# Altium PCB RFSoC-AMC.PcbDoc (part 4 of 12)
Units mm, origin at the board's own origin, x right, y up, seen from the top; angles counter-clockwise.
Board outline 180.55 x 148.45 mm, 10 copper layers (Layer 1, Layer 2, Layer 3, Layer 4, Layer 5, Layer 6, Layer 7, Layer 8, Layer 9, Layer 10), stack 1.544 mm thick; 793 components, 796 nets, 7654 pads, 16 vias.
Unrouted connection lines stored in the file: 2880.
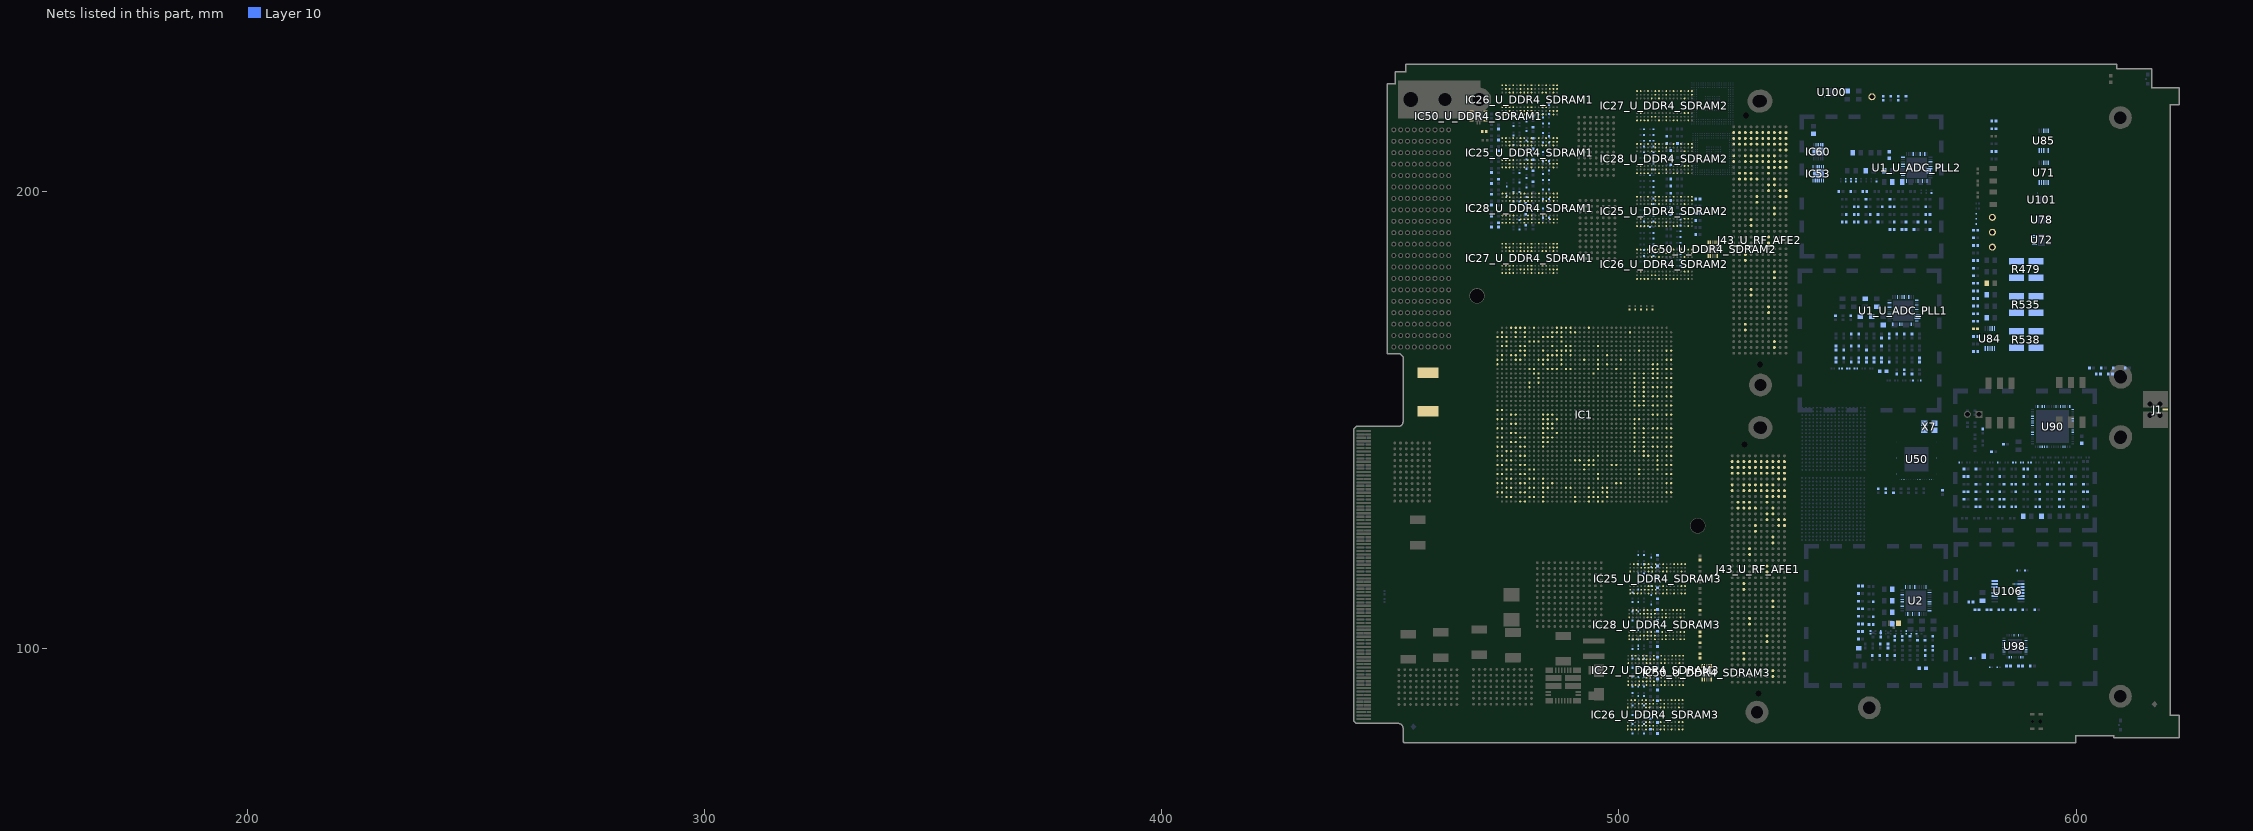
[diagram p12: the nets of this part, all layers, seen from the top]

## Part data (continued)
C361 C363 C456 C572 C575 C577 C578 C606 C607 C608 C609 C636_U_ADC_PLL1 C636_U_ADC_PLL2 C638_U_ADC_PLL1 C638_U_ADC_PLL2 C639_U_ADC_PLL1 C639_U_ADC_PLL2 C643_U_ADC_PLL1 C643_U_ADC_PLL2 C645_U_ADC_PLL1 C645_U_ADC_PLL2 C648_U_ADC_PLL1 C648_U_ADC_PLL2 C649_U_ADC_PLL1 C649_U_ADC_PLL2 C650_U_ADC_PLL1 C650_U_ADC_PLL2 C651_U_ADC_PLL1 C651_U_ADC_PLL2 C652_U_ADC_PLL1 C652_U_ADC_PLL2 C664_U_ADC_PLL1 C664_U_ADC_PLL2 C665_U_ADC_PLL1 C665_U_ADC_PLL2 C670 C672 C674 C678 C680 C719 C720 C721 C722 C723 C730 C731 C734 C737 C738 C739 C740 C741 C742 C743 C744 C745 C746 C747 C748 C749 C750 C754 C758 C759 C761 C762 C764 C766 C767 C769 C770 C771 C775 C777 C779 C780 C781 C783 C784 C814 C815 C823 C829 C873 C874 C952 C992: library part CAP_NP, Dielectric=X5R, Tolerance=10%, Voltage=25V, PartType=CERAMIC, RoHS=Yes
  C361 C363 C577 C578 C606 C607 C608 C609: Barcode=100040, Datasheet=\\XSJ-SMB\AFX\AFX\BOARD_PROJECTS\LIBRARY\DATASHEETS\CAPACITOR\DLMK_E.PDF, Device=0_1UF_0402, MANF="TAIYO YUDEN", MANF_P/N=TMK105BJ104KV-F, OWNER=4001, PRICE=0.01
  C456 C572 C575 C829: Barcode=100001, Datasheet=\\XSJ-SMB\AFX\AFX\BOARD_PROJECTS\LIBRARY\\DATASHEETS\CAPACITOR\CX5R.PDF, Device=0_01UF_0402, MANF=AVX, MANF_P/N=04023D103KAT2A, OWNER=4001, PRICE=0
  C636_U_ADC_PLL1 C636_U_ADC_PLL2 C638_U_ADC_PLL1 C638_U_ADC_PLL2 C639_U_ADC_PLL1 C639_U_ADC_PLL2 C643_U_ADC_PLL1 C643_U_ADC_PLL2 C645_U_ADC_PLL1 C645_U_ADC_PLL2 C648_U_ADC_PLL1 C648_U_ADC_PLL2 C649_U_ADC_PLL1 C649_U_ADC_PLL2 C650_U_ADC_PLL1 C650_U_ADC_PLL2 C651_U_ADC_PLL1 C651_U_ADC_PLL2 C652_U_ADC_PLL1 C652_U_ADC_PLL2 C664_U_ADC_PLL1 C664_U_ADC_PLL2 C665_U_ADC_PLL1 C665_U_ADC_PLL2 C670 C672 C674 C678 C680 C719 C720 C721 C722 C723 C730 C731 C734 C737 C738 C739 C740 C741 C742 C743 C744 C745 C746 C747 C748 C749 C750 C754 C758 C759 C761 C762 C764 C766 C767 C769 C770 C771 C775 C779 C780 C781 C783 C784 C814 C815 C823 C952 C992: Barcode=100040, Datasheet=\\XSJ-SMB\AFX\AFX\BOARD_PROJECTS\LIBRARY\DATASHEETS\CAPACITOR\DLMK_E.PDF, Device=0_1UF_0402, DIST=DIGIKEY, DIST_P/N=587-1456-1-ND, DXDB_LIBNAME=CAPACITORS, MANF="TAIYO YUDEN", MANF_P/N=TMK105BJ104KV-F, OWNER=4001, PART_TYPE=CERAMIC, PKG_TYPE=0402, PRICE=0.01
  C777: Barcode=100156, Datasheet=\\XSJ-SMB\AFX\AFX\BOARD_PROJECTS\LIBRARY\\DATASHEETS\CAPACITOR\mlcc_selection_guide_en.pdf, Device=0_033UF_0402, MANF=TDK, MANF_P/N=C1005X5R1E333K050BA, OWNER=10460, PRICE=0
  C873 C874: Barcode=100026, Datasheet=\\XSJ-SMB\AFX\AFX\BOARD_PROJECTS\LIBRARY\DATASHEETS\CAPACITOR\C02E.PDF, Device=22UF_1206, MANF=MURATA, MANF_P/N=GRM31CR61E226KE15L, OWNER=3709, PRICE=0.17
C362 C364 C564 C569 C653_U_ADC_PLL1 C653_U_ADC_PLL2 C655_U_ADC_PLL1 C655_U_ADC_PLL2 C662_U_ADC_PLL1 C662_U_ADC_PLL2 C724 C726 C733 C735 C736 C753 C782 C812 C822 C824 C991: library part CAP_NP, Dielectric=X5R, Tolerance=10%, Voltage=35V, Barcode=100192, Datasheet=\\XSJ-SMB\AFX\AFX\BOARD_PROJECTS\LIBRARY\DATASHEETS\CAPACITOR\GRM155R6YA105KE11D.pdf, Device=1UF_0402, MANF=MURATA, MANF_P/N=GRM155R6YA105KE11D, OWNER=3709, PartType=CERAMIC, PRICE=0.04, RoHS=Yes
C457 C485 C567 C570 C573 C574 C634_U_ADC_PLL1 C634_U_ADC_PLL2 C635_U_ADC_PLL1 C635_U_ADC_PLL2 C637_U_ADC_PLL1 C637_U_ADC_PLL2 C641_U_ADC_PLL1 C641_U_ADC_PLL2 C642_U_ADC_PLL1 C642_U_ADC_PLL2 C644_U_ADC_PLL1 C644_U_ADC_PLL2 C654_U_ADC_PLL1 C654_U_ADC_PLL2 C656_U_ADC_PLL1 C656_U_ADC_PLL2 C660_U_ADC_PLL1 C660_U_ADC_PLL2 C661_U_ADC_PLL1 C661_U_ADC_PLL2 C663_U_ADC_PLL1 C663_U_ADC_PLL2 C668 C669 C671 C676 C677 C679 C725 C727 C732 C751 C752 C763 C774 C810 C811 C813 C821 C827 C828 C953 C990: library part CAP_NP, Dielectric=X5R, Tolerance=10%, Voltage=10V, PartType=CERAMIC, RoHS=Yes
  C457 C485 C567 C570 C573 C574 C827: Barcode=100024, Datasheet=\\XSJ-SMB\AFX\AFX\BOARD_PROJECTS\LIBRARY\\DATASHEETS\CAPACITOR\MURATA_GRM21BR61A106KE19L.pdf, Device=10UF_0805, MANF=MURATA, MANF_P/N=GRM21BR61A106KE19L, OWNER=3670, PRICE=0.04
  C634_U_ADC_PLL1 C634_U_ADC_PLL2 C635_U_ADC_PLL1 C635_U_ADC_PLL2 C637_U_ADC_PLL1 C637_U_ADC_PLL2 C641_U_ADC_PLL1 C641_U_ADC_PLL2 C642_U_ADC_PLL1 C642_U_ADC_PLL2 C644_U_ADC_PLL1 C644_U_ADC_PLL2 C654_U_ADC_PLL1 C654_U_ADC_PLL2 C660_U_ADC_PLL1 C660_U_ADC_PLL2 C661_U_ADC_PLL1 C661_U_ADC_PLL2 C663_U_ADC_PLL1 C663_U_ADC_PLL2 C668 C669 C671 C676 C677 C679 C725 C732 C751 C752 C763 C774 C810 C811 C813 C821 C953 C990: Barcode=100024, Datasheet=\\XSJ-SMB\AFX\AFX\BOARD_PROJECTS\LIBRARY\\DATASHEETS\CAPACITOR\MURATA_GRM21BR61A106KE19L.pdf, Device=10UF_0805, DIST=DIGIKEY, DIST_P/N=490-1709-2-ND, DXDB_LIBNAME=CAPACITORS, MANF=MURATA, MANF_P/N=GRM21BR61A106KE19L, OWNER=3670, PART_TYPE=CERAMIC, PKG_TYPE=805, PRICE=0.04
  C656_U_ADC_PLL1 C656_U_ADC_PLL2 C727: Datasheet=\\XSJ-SMB\AFX\AFX\BOARD_PROJECTS\LIBRARY\\DATASHEETS\CAPACITOR\GRM155R61A684KE15-01.pdf, Device=0_68UF_10V_0402, MANF=AVX, MANF_P/N=0402ZD683KAT2A, OWNER=3709, PRICE=0.02
  C828: Barcode=100057, Datasheet=\\XSJ-SMB\AFX\AFX\BOARD_PROJECTS\LIBRARY\DATASHEETS\CAPACITOR\E413_C.PDF, Device=0_047UF_0402, MANF=TDK, MANF_P/N=C1005X5R1A473K, OWNER=10460, PRICE=0
C632_U_ADC_PLL1 C632_U_ADC_PLL2 C640_U_ADC_PLL1 C640_U_ADC_PLL2 C646_U_ADC_PLL1 C646_U_ADC_PLL2 C658_U_ADC_PLL1 C658_U_ADC_PLL2 C666 C673 C675 C682 C718_U_ADC_PLL1 C718_U_ADC_PLL2 C765 C772 C778 C808: library part CAP_NP, Dielectric=X7R, Tolerance=10%, Voltage=50V, PartType=CERAMIC, RoHS=Yes
  C632_U_ADC_PLL1 C632_U_ADC_PLL2 C640_U_ADC_PLL1 C640_U_ADC_PLL2 C646_U_ADC_PLL1 C646_U_ADC_PLL2 C666 C673 C675 C682 C718_U_ADC_PLL1 C718_U_ADC_PLL2: Barcode=100119, Datasheet=\\XSJ-SMB\AFX\AFX\BOARD_PROJECTS\LIBRARY\\DATASHEETS\CAPACITOR\UPY-GPHC_X7R_6.3V-to-50V_8.pdf, Device=100PF_0402, MANF=YAGEO, MANF_P/N=CC0402KRX7R9BB101, OWNER=6176, PRICE=0
  C658_U_ADC_PLL1 C658_U_ADC_PLL2 C808: Barcode=100158, Datasheet=\\XSJ-SMB\AFX\AFX\BOARD_PROJECTS\LIBRARY\\DATASHEETS\CAPACITOR\GRM155R71H152KA01D.pdf, Device=1800PF_0402, DIST=DIGIKEY, DIST_P/N=399-3074-2-ND, DXDB_LIBNAME=Capacitors, MANF=MURATA, MANF_P/N=GRM155R71H182KA01D, OWNER=3709, PART_TYPE=CERAMIC, PKG_TYPE=0402, PRICE=0
  C765: Barcode=100013, Datasheet=\\XSJ-SMB\AFX\AFX\BOARD_PROJECTS\LIBRARY\\DATASHEETS\CAPACITOR\GRM155R71H102KA01D.pdf, Device=1000PF_0402, MANF=MURATA, MANF_P/N=GRM155R71H102KA01D, OWNER=3709, PRICE=0
  C772: Barcode=100095, Datasheet=\\XSJ-SMB\AFX\AFX\BOARD_PROJECTS\LIBRARY\\DATASHEETS\CAPACITOR\GRM155R71H222KA01D.pdf, Device=2200PF_0402, MANF=MURATA, MANF_P/N=GRM155R71H222KA01D, OWNER=3709, PRICE=0
  C778: Barcode=100107, Datasheet=\\XSJ-SMB\AFX\AFX\BOARD_PROJECTS\LIBRARY\\DATASHEETS\CAPACITOR\cx7r.pdf, Device=680PF_0402, MANF=AVX, MANF_P/N=04025C681KAT2A, OWNER=3709, PRICE=0.02
C633_U_ADC_PLL1 C633_U_ADC_PLL2 C647_U_ADC_PLL1 C647_U_ADC_PLL2 C659_U_ADC_PLL1 C659_U_ADC_PLL2 C667 C681 C768 C776 C809 C948_U_ADC_PLL1 C948_U_ADC_PLL2 C949_U_ADC_PLL1 C949_U_ADC_PLL2 C1018_U_ADC_PLL1 C1018_U_ADC_PLL2 C1019_U_ADC_PLL1 C1019_U_ADC_PLL2 C1022 C1023 C1024 C1025 C1031 C1034: library part CAP_NP, Barcode=NonBom, Device=DNP_C_0402, Dielectric=DNP, MANF=DNP, MANF_P/N=DNP, OWNER=3709, PartType=CERAMIC, PRICE=0, RoHS=Yes, Tolerance=DNP, Voltage=DNP
C657_U_ADC_PLL1 C657_U_ADC_PLL2 C728: library part CAP_NP, Dielectric="C0G, NP0", Tolerance=5%, Voltage=50V, Datasheet=\\XSJ-SMB\AFX\AFX\BOARD_PROJECTS\LIBRARY\\DATASHEETS\CAPACITOR\KEM_C1022_C0G_AUTO_SMD.pdf, Device=390PF_0402, MANF=KEMET, MANF_P/N=C0402C391J5GACAUTO, OWNER=3709, PartType=CERAMIC, PRICE=0, RoHS=Yes
C755 C819: library part CC0201_100NF_6.3V_10%_X5R, "Non-polarised capacitor"
C773: library part CAP_NP, Dielectric=NPO, Tolerance=5%, Voltage=50V, Barcode=100065, Datasheet=\\XSJ-SMB\AFX\AFX\BOARD_PROJECTS\LIBRARY\\DATASHEETS\CAPACITOR\GRM1555C1H180JA01D.pdf, Device=18PF_0402, MANF=MURATA, MANF_P/N=GRM1555C1H180JA01D, OWNER=3709, PartType=CERAMIC, PRICE=0, RoHS=Yes
C920: $$NotCommonProperty_Case=0201, $$NotCommonProperty_General Part Number=CC0201_100NF_6.3V_10%_X5R, $$NotCommonProperty_Manufacturer1 Example=AVX, $$NotCommonProperty_Manufacturer1 Part Number=02016D104KAT2A, $$NotCommonProperty_Voltage=6.3V, Manufacturer=GENERIC, Part Name="Capacitor - non polarized CAPC0603X33N", Tolerance=±10%, $$Internal_Resolution=00001mm, $$NotCommonProperty_Pin Count=2, $$NotCommonProperty_SMD=Yes, $$NotCommonProperty_Status="Not Recommended", $$NotCommonProperty_TC=X5R, Cell Name=CAPC0603X33N, CmpIndex=316, DXDB_LIBNAME="Capacitors SMD", Manufacturer Part Number=CC0201_100NF_6.3V_10%_X5R, Orientation="1 = 1", Part Description="SMD Multilayer Chip Ceramic Capacitor", Part Number="Capacitor - non polarized CAPC0603X33N", Ref Designator=C920, SymIndex=331
C1006_U_ADC_PLL1 C1006_U_ADC_PLL2 C1007_U_ADC_PLL1 C1007_U_ADC_PLL2 C1008_U_ADC_PLL1 C1008_U_ADC_PLL2 C1009_U_ADC_PLL1 C1009_U_ADC_PLL2 C1014 C1015 C1016 C1017: library part CAP_NP, Dielectric=X7R, Tolerance=10%, Voltage=16V, Datasheet=\\XSJ-SMB\AFX\AFX\BOARD_PROJECTS\LIBRARY\\DATASHEETS\CAPACITOR\CGA1A2X7R1C101K030BA.pdf, Device=100PF_0201, MANF=TDK, MANF_P/N=CGA1A2X7R1C101K030BA, OWNER=3709, PartType=CERAMIC, PRICE=0, RoHS=Yes
DS34_U_ADC_PLL1 DS34_U_ADC_PLL2 DS44 DS45: library part LED, "LED 565NM GREEN DIFF 0603 SMD", Power=2.2-20MA, Voltage=2.2V, Barcode=300021, Datasheet=\\XSJ-SMB\AFX\AFX\BOARD_PROJECTS\LIBRARY\\DATASHEETS\DISPLAY\SML-LX0603GW-TR.PDF, Device=LED-GRN-SMT_LED_0603, DIST=DIGIKEY, DIST_P/N=67-1549-1-ND, DXDB_LIBNAME=DISPLAY, MANF=LUMEX, MANF_P/N=SML-LX0603GW-TR, OWNER=4001, PART_TYPE=LED, PartType=LED, PKG_TYPE=LED_0603, PRICE=0.1, RoHS=Yes
F1: library part FUSR_TYCO_SMD150F-2, "Fuse", Manufacturer="TYCO ELECTRONICS", Manufacturer Part Number=SMD150F-2, Author="CERN DEM JLC", ComponentHeight=3mm, Component Type=Standard, CreateDate=2010-03-17, Family="Fuses Resettable", HelpURL=\\cern.ch\dfs\Applications\Altium\Datasheets\FUSR_TYCO_SMD150F-2.pdf, LatestRevisionDate=2010-03-17, Mounted=Yes, PackageDescription="PolySwitch, 2-Leads, Body 8.7x6.35mm Nominal", Part Description="PolySwitch® PTC Overcurrent Protection Device", Part Number=FUSR_TYCO_SMD150F-2, Pin Count=2, SMD=Yes, Socket=No, Table=Fuses
FP2: "RTM Frontpanel"
FTG3 FTG5 FTG7: library part FIDUCIAL_TARGET_S100-200, "Fiducial Target"
IC1: "Zynq UltraScale+ RFSoC, Quad-Core ARM® Cortex™-A53 MPCore™ up to 1.5GHz, 214 PS I/O, 299 HP I/O, 48 HD I/O, 1517-Pin BGA", Case=BGA1517, Manufacturer=XILINX, Author="CERN DEM MR", Bonding=No, ComponentHeight=4.01mm, ComponentLink1Description=Package/Pinout, ComponentLink1URL=\\cern.ch\dfs\Applications\Altium\Datasheets\XCZU27DR-1FSVG1517E_Package-Pinout.pdf, ComponentLink2Description=Pinout, ComponentLink2URL=\\cern.ch\dfs\Applications\Altium\Datasheets\XCZU27DR-1FSVG1517E_Pinout.pdf, Component Type=Standard, CreateDate=02/05/2018, Device=XCZU27DR-1FSVG1517E, HelpURL=\\cern.ch\dfs\Applications\Altium\Datasheets\XCZU27DR-1FSVG1517E.pdf, LatestRevisionDate=02/05/2018, Manufacturer Part Number=XCZU27DR-1FSVG1517E, Mounted=Yes, PackageDescription="BGA, 1.00mm Pitch, Square; 1517 Pin, 39 Columns X 39 Rows, 40.00mm X 40.00mm X 4.01mm H", Part Description="Zynq UltraScale+ RFSoC, Quad-Core ARM® Cortex™-A53 MPCore™ up to 1.5GHz, 214 PS I/O, 299 HP I/O, 48 HD I/O, 1517-Pin BGA", Part Number=XCZU27DR-1FSVG1517E, Pin Count=1517, PressFit=No, Sense=No, SMD=Yes, Socket=No
IC2: "4.5V-16V to 0.5V-1.8V, Dual 18A or Single 36A uModule Regulator with Digital Power System Management", Case=BGA144, Manufacturer="LINEAR TECHNOLOGY", Author="CERN DEM JLC", Bonding=No, ComponentHeight=5.21mm, Component Type=Standard, CreateDate=25/04/2018, Device=LTM4677IY#PBF, HelpURL=\\cern.ch\dfs\Applications\Altium\Datasheets\LTM4677IY#PBF.pdf, LatestRevisionDate=25/04/2018, Manufacturer Part Number=LTM4677IY#PBF, Mounted=Yes, PackageDescription="BGA, 1.27mm Pitch, Square; 144 Pin, 12 Columns X 12 Rows,16.00mm X 16.00mm X 5.21mm H", Part Description="4.5V-16V to 0.5V-1.8V, Dual 18A or Single 36A uModule Regulator with Digital Power System Management", Part Number=LTM4677IY#PBF, Pin Count=144, PressFit=No, Sense=No, SMD=Yes, Socket=No
IC25_U_DDR4_SDRAM1 IC25_U_DDR4_SDRAM2 IC25_U_DDR4_SDRAM3 IC26_U_DDR4_SDRAM1 IC26_U_DDR4_SDRAM2 IC26_U_DDR4_SDRAM3 IC27_U_DDR4_SDRAM1 IC27_U_DDR4_SDRAM2 IC27_U_DDR4_SDRAM3 IC28_U_DDR4_SDRAM1 IC28_U_DDR4_SDRAM2 IC28_U_DDR4_SDRAM3: "+1.2V, 8Gb (512 Meg x 16 x 8 Banks) DDR4 SDRAM", Case=BGA96, Manufacturer="MICRON TECHNOLOGY", Author="CERN DEM MR", Bonding=No, ComponentHeight=1.2mm, Component Type=Standard, CreateDate=12/02/2016, Device=MT40A512M16HA-083E:A, HelpURL=\\cern.ch\dfs\Applications\Altium\Datasheets\MT40A512M16HA-083E-A.pdf, LatestRevisionDate=03/06/2016, Manufacturer Part Number=MT40A512M16HA-083E:A, Mounted=Yes, PackageDescription="BGA 0.8mm, Pitch, Square 96 Pin, 9 Columns x 16 Rows, Body 14mm X 9mm X 1.2mm H", Part Description="+1.2V, 8Gb (512 Meg x 16) DDR4 SDRAM", Part Number=MT40A512M16HA-083E:A, Pin Count=96, PressFit=No, Sense=No, SMD=Yes, Socket=No
IC50_U_DDR4_SDRAM1 IC50_U_DDR4_SDRAM2 IC50_U_DDR4_SDRAM3: "Sink/Source DDR Termination Regulator", Case=SON10, Manufacturer="TEXAS INSTRUMENTS", Author="CERN DEM JLC", Bonding=No, ComponentHeight=1mm, Component Type=Standard, CreateDate=03/02/2010, Device=TPS51200DRCT, HelpURL=\\cern.ch\dfs\Applications\Altium\Datasheets\TPS51200DRCT.pdf, LatestRevisionDate=06/11/2013, Manufacturer Part Number=TPS51200DRCT, Mounted=Yes, PackageDescription="SON, 0.50mm Pitch, 10-pin, 3.00mm W  X 3.00mm L X 1.00mm Height, (w/thermal tab 1.75 X 2.50 mm)", Part Description="3.3V Sink/Source DDR Termination Regulator", Part Number=TPS51200DRCT, Pin Count=11, PressFit=No, Sense=No, SMD=Yes, Socket=No
IC52 IC54: "Part Number = LTM8049"
IC53: $$NotCommonProperty_Case=TSSOP16, Manufacturer="TEXAS INSTRUMENTS", $$Internal_Resolution=00001mm, $$NotCommonProperty_ComponentHeight=1.2mm, $$NotCommonProperty_Device=SN74CB3T3257PW, $$NotCommonProperty_Footprint Ref=SOP65P640X120-16N, $$NotCommonProperty_Pin Count=16, $$NotCommonProperty_SMD=Yes, Cell Name=SOP65P640X120-16N, CmpIndex=262, DXDB_LIBNAME=IC_Standard_Logic, Manufacturer Part Number=SN74CB3T3257PW, Orientation="4 = 4", PackageDescription="SOP, 0.65mm pitch; 16 pin, 4.40mm W X 5.00mm L X 1.20mm H body IPC Medium Density", Part Description="4-Bit 1-of-2 FET Multiplexer/Demultiplexer 2.5V/3.3V Low-Voltage Bus Switch 5V Tolerant Shifter", Part Name=SN74CB3T3257PW, Part Number=SN74CB3T3257PW, Ref Designator=IC53, SymIndex=1801
IC60: $$NotCommonProperty_Case=QFN12, Manufacturer="TEXAS INSTRUMENTS", $$Internal_LastIdUsed=81, $$Internal_Resolution=00001mm, $$NotCommonProperty_Author="CERN DEM JLC", $$NotCommonProperty_Bonding=No, $$NotCommonProperty_Comment=Device, $$NotCommonProperty_ComponentHeight=0.55mm, $$NotCommonProperty_Component Kind=Standard, $$NotCommonProperty_Component Type=Standard, $$NotCommonProperty_CreateDate=2014-10-27, $$NotCommonProperty_Device=TXB0304RUTR, $$NotCommonProperty_Footprint Ref="TEXAS_RUT (R-PUQFN-N12)", $$NotCommonProperty_HelpURL=\\cern.ch\dfs\Applications\Altium\Datasheets\TXB0304RUTR.pdf, $$NotCommonProperty_LatestRevisionDate=2014-10-28, $$NotCommonProperty_Mounted=Yes, $$NotCommonProperty_Pin Count=12, $$NotCommonProperty_PressFit=No, $$NotCommonProperty_Sense=No, $$NotCommonProperty_SMD=Yes, $$NotCommonProperty_Socket=No, Cell Name=TEXAS_RUT__R-PUQFN-N12_, CmpIndex=257, DXDB_LIBNAME=IC_Analog_Interface, Manufacturer Part Number=TXB0304RUTR, Orientation="4 = 4", PackageDescription="SON, TEXAS RUT (R-PUQFN-N12), 0.50mm Pitch, 12-pin, 1.70mm W  X 2.00mm L X 0.55mm Height", Part Description="4-bit Bidirectional Auto-direction Sensing Translator with Fully Symmetric 0.9V to 3.6V Range", Part Name=TXB0304RUTR, Part Number=TXB0304RUTR, Ref Designator=IC60, SymIndex=1738
J1: library part CINCH_142-0761-881, Manufacturer="CINCH CONNECTIVITY", Manufacturer Part Number=142-0761-881, Author="CERN DEM JLC", ComponentHeight=5.53mm, Component Type=Standard, CreateDate=21/04/2015, Family=SMA, HelpURL=\\cern.ch\dfs\Applications\Altium\Datasheets\CINCH_142-0761-881.pdf, LatestRevisionDate=21/04/2015, Mounted=Yes, Part Description="SMA 50 Ohm High Frequency End Launch SMA Jack Receptacle (10mil Pin)", Part Number=CINCH_142-0761-881, Pin Count=2, PressFit=No, Sense=No, SMD=No, Socket=No, Status=None
J1_1 J2_1: library part TYCO_6469081-1, "Connector 60 ATCA Female 30 Pairs (60 Signals) + 3x10 Ground"
J11 J63 J82 J88: library part TP-HOOK, "TEST POINT LOOP DNP", Datasheet=\\XSJ-SMB\AFX\AFX\BOARD_PROJECTS\LIBRARY\DATASHEETS\CONNECTOR\5005-5009.PDF, Device=TP_5005_DNP, MANF=KEYSTONE, MANF_P/N=DNP, OWNER=3709, PartType="TEST POINT", Pins=1PIN, RoHS=Yes
J12: library part TYCO_5120913-1, "Single Pin Female"
J43_U_RF_AFE1 J43_U_RF_AFE2: library part SAMTEC_ASP-134488-01, "Connector VITA 57, 400 Male contacts in 10 row abcdefghj", Manufacturer=SAMTEC, Manufacturer Part Number=ASP-134488-01, Author="CERN DEM JLC", ComponentHeight=6.1mm, Component Type=Standard, CreateDate=30/04/2009, Family="VITA 57", HelpURL=\\cern.ch\dfs\Applications\Altium\Datasheets\SAMTEC_ASP-134488-01.pdf, LatestRevisionDate=17/08/2009, Mounted=Yes, Part Description="400 contacts (10 rows abcdefghj) Surface Mount Male Connector, VITA 57 (MC-HPC-10)", Part Number=SAMTEC_ASP-134488-01, Pin Count=400, SMD=Yes, Socket=No, Status=None, Table=SAMTEC
J110: "CONN HEADER .100 SINGL STR 36POS 1X2", Barcode=390011, Datasheet=\\XSJ-SMB\AFX\AFX\BOARD_PROJECTS\LIBRARY\\DATASHEETS\CONNECTOR\SULLINSHEADER_X1_STR.PDF, Device=HDR_1X2, MANF=SULLINS, MANF_P/N=PBC36SAAN, OWNER=4001, PartType=HEADER, Pins=2PINS, Pitch=0.100, PRICE=0.03, RoHS=Yes
L43_U_ADC_PLL1 L43_U_ADC_PLL2 L44_U_ADC_PLL1 L44_U_ADC_PLL2 L52 L53 L54 L55 L56 L57 L58 L59 L60 L61 L62 L65 L68 L70 L73 L74: library part IND, "INDUCTOR POWER 15NH, 1.0A", Current=1.0A, Tolerance=2%, Datasheet=\\XSJ-SMB\AFX\AFX\BOARD_PROJECTS\LIBRARY\DATASHEETS\INDUCTOR\0402dc_s.pdf, Device=INDUCTOR_0402DC-15NXRU, MANF=COILCRAFT, MANF_P/N=0402DC-15NXGRW, OWNER=3709, PartType="POWER INDUCTOR", PRICE=1.14, RoHS=Yes
L60_1 L96 L97 L98 L99 L100: "Part Number = IND_1.5UH_20%_TDK_SPM6530"
LED1: "LED Blue Avago C120"
LED2: "LED Green Avago C120"
LED17: library part LED_0603R, "LED 0603 red"
MSBOX1 MSBOX1_U_ADC_PLL1 MSBOX1_U_ADC_PLL2 MSBOX2 MSBOX3: library part MSBOX_WURTH_36103305, "Metal Screening Box 20 (4x5) Pins", Manufacturer=WURTH, Manufacturer Part Number=36103305, Author="CERN DEM JLC", ComponentHeight=3.1mm, Component Type=Standard, CreateDate=02/07/2012, HelpURL=\\cern.ch\dfs\Applications\Altium\Datasheets\MSBOX_WURTH_36103305.pdf, LatestRevisionDate=02/07/2012, Mounted=Yes, PackageDescription="Shielding Cabinet SMD-Frame WE-SHC, Internal Dimensions 30 x 30mm", Part Description="Shielding Cabinet SMD-Frame WE-SHC, Internal Dimensions 30 x 30mm", Part Number=MSBOX_WURTH_36103305, Pin Count=20, PressFit=No, Sense=No, SMD=Yes, Socket=No, Status=None
P1: library part CMP-0001-00058-2, "Golden finger, AMC, Dual, Opposite, Pitch 0.75mm, 170-Position"
PB1: library part SW_C&K_HDT0001, "Push-Button Switch SPDT"
R8_U_ADC_PLL1 R8_U_ADC_PLL2 R581 R635 R648 R649 R659 R677_U_ADC_PLL1 R677_U_ADC_PLL2 R678: library part RES, Power=1/10W, Tolerance=5%, Barcode=200012, Datasheet=\\XSJ-SMB\AFX\AFX\BOARD_PROJECTS\LIBRARY\\DATASHEETS\RESISTOR\PANA_ERJ_5%.PDF, Device=0_0402, MANF=PANASONIC, MANF_P/N=ERJ-2GE0R00X, OWNER=4001, PartType="SMT - 5%", PRICE=0.01, primarykey=13, RoHS=Yes
R53 R73_U_ADC_PLL1 R73_U_ADC_PLL2 R79_U_ADC_PLL1 R79_U_ADC_PLL2 R194_U_ADC_PLL1 R194_U_ADC_PLL2 R358 R359 R360: library part RES, Power=1/20W, Tolerance=1%, Barcode=200411, Datasheet=\\XSJ-SMB\AFX\AFX\BOARD_PROJECTS\LIBRARY\DATASHEETS\RESISTOR\ERJ_G,R,E_Rev08.pdf, Device=12_0K_0201, MANF=PANASONIC, MANF_P/N=ERJ-1GEF1202C, OWNER=3709, PartType="SMT - 1%", PRICE=0, primarykey=377, RoHS=Yes
R54 R55: library part RES, Power=1/20W, Tolerance=NA, Barcode=200383, Datasheet=\\VS-SIAPPS\AFX\AFX\BOARD_PROJECTS\LIBRARY\\DATASHEETS\RESISTOR\PANA_ERJ_1%.PDF, Device=0_0201, MANF=PANASONIC, MANF_P/N=ERJ-1GN0R00C, OWNER=3670, PartType="SMT - JUMPER", PRICE=0.02, primarykey=396, RoHS=Yes
R97_U_ADC_PLL1 R97_U_ADC_PLL2 R366 R379 R409 R472 R473 R474 R475 R477 R478 R533 R534 R536 R537 R545 R552_U_ADC_PLL1 R552_U_ADC_PLL2 R554 R560_U_ADC_PLL1 R560_U_ADC_PLL2 R562_U_ADC_PLL1 R562_U_ADC_PLL2 R563_U_ADC_PLL1 R563_U_ADC_PLL2 R565_U_ADC_PLL1 R565_U_ADC_PLL2 R582 R583 R584 R621 R622 R623 R624 R627 R628 R631 R632 R636 R637 R644 R645 R646 R647 R651 R652 R653 R654 R655 R656 R658 R662 R667 R669 R706_U_ADC_PLL1 R706_U_ADC_PLL2 R707_U_ADC_PLL1 R707_U_ADC_PLL2 R708_U_ADC_PLL1 R708_U_ADC_PLL2 R713 R714 R715 R716: library part RES, Power=1/10W, Tolerance=1%, PartType="SMT - 1%", RoHS=Yes
  R97_U_ADC_PLL1 R97_U_ADC_PLL2 R647 R654 R662 R706_U_ADC_PLL1 R706_U_ADC_PLL2 R707_U_ADC_PLL1 R707_U_ADC_PLL2 R708_U_ADC_PLL1 R708_U_ADC_PLL2 R713 R714 R715 R716: Barcode=200073, Datasheet=\\XSJ-SMB\AFX\AFX\BOARD_PROJECTS\LIBRARY\\DATASHEETS\RESISTOR\AOA0000PE3.PDF, Device=49_9_0402, MANF=PANASONIC, MANF_P/N=ERJ-2RKF49R9X, OWNER=4001, PRICE=0, primarykey=77
  R366 R552_U_ADC_PLL1 R552_U_ADC_PLL2 R554 R637: Barcode=200024, Datasheet=\\XSJ-SMB\AFX\AFX\BOARD_PROJECTS\LIBRARY\\DATASHEETS\RESISTOR\PANA_ERJ_1%.PDF, Device=100_0402, MANF=PANASONIC, MANF_P/N=ERJ-2RKF1000X, OWNER=4001, PRICE=0.02, primarykey=12
  R379: Barcode=200063, Datasheet=\\XSJ-SMB\AFX\AFX\BOARD_PROJECTS\LIBRARY\\DATASHEETS\RESISTOR\AOA0000PE3.PDF, Device=40_2_0402, MANF=PANASONIC, MANF_P/N=ERJ-2RKF40R2X, OWNER=3501, PRICE=0, primarykey=277